# KiCad board mist1010.kicad_pcb (continued)
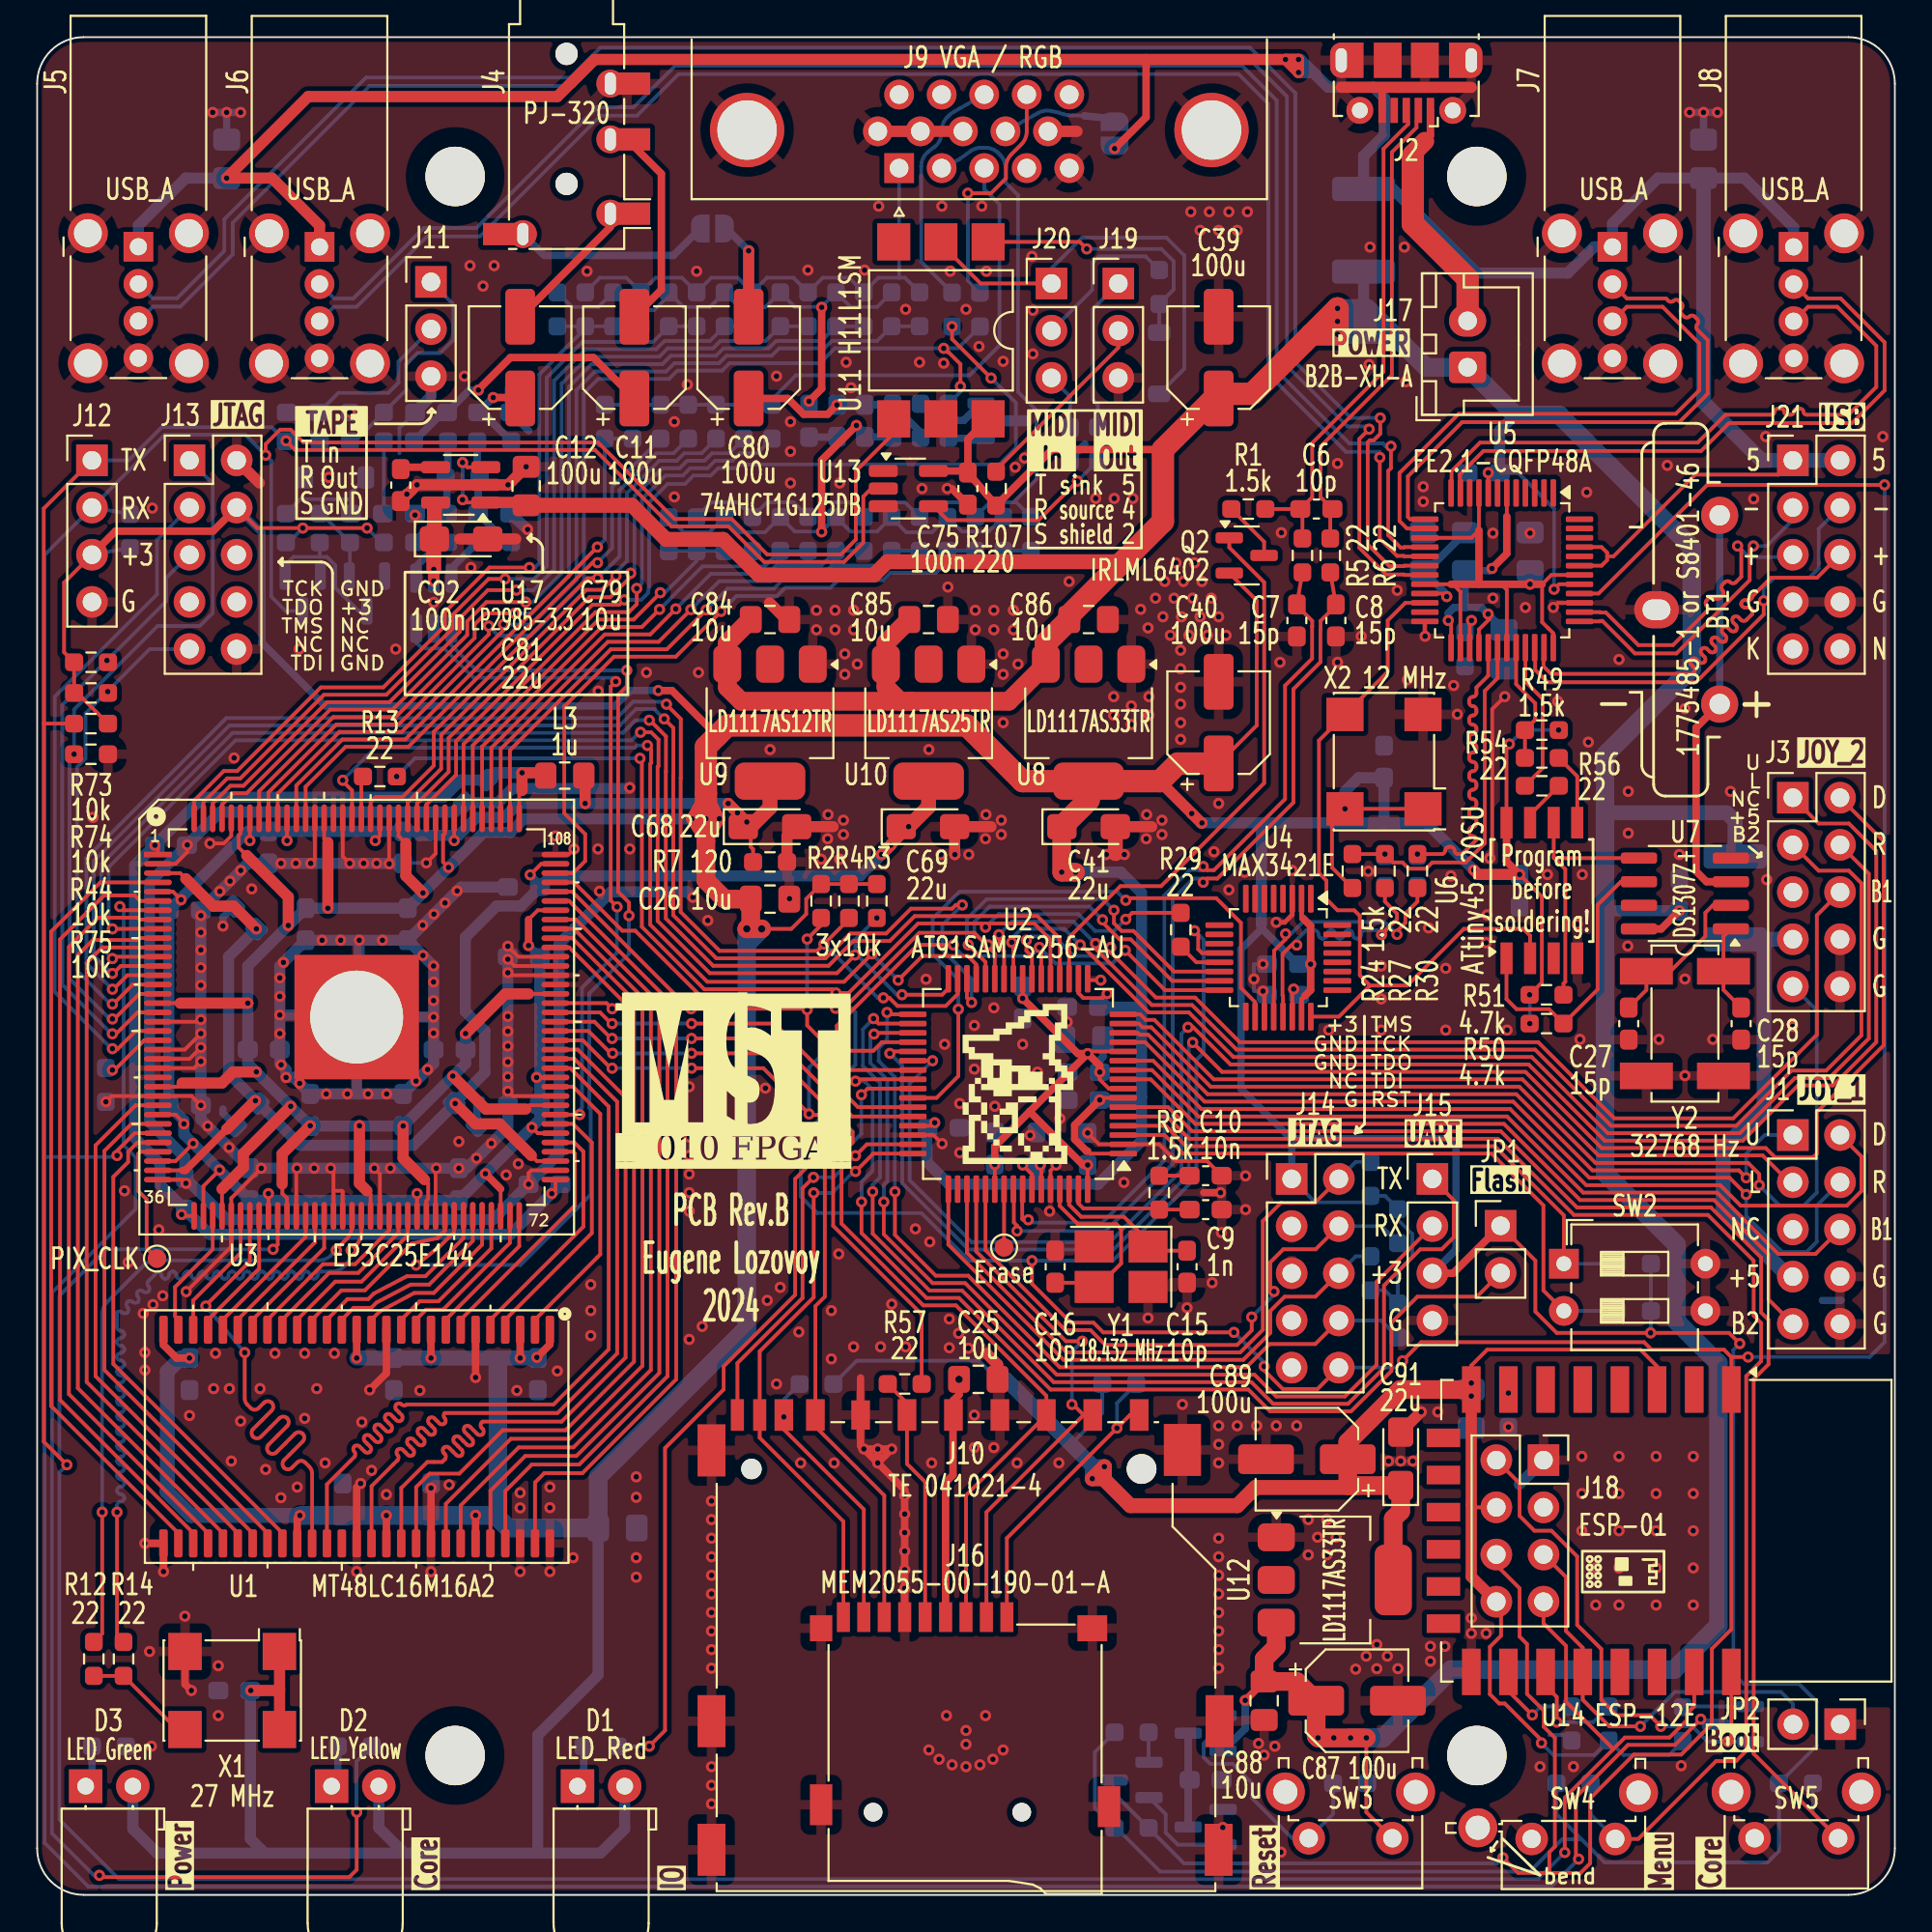
[diagram p0: board, top side]
## Routing (per net, layer and track width the routed paths; a pad name or vN(x,y) marks a point on that pad's centre or on a via; arc(x,y) is an arc through that point) (continued)
Net-(C10-Pad1): length 1.6
  Top w0.2: C10.1 R8.1
Net-(C11-Pad1): length 14.7
  Top w0.4: C11.1 29.95,82.75 25.47,82.75 23.75,81.03 v1(23.75,81)
  Bottom w0.4: v1(23.75,81) 23.26,81 C13.1 21.84,79.8 R99.2
Net-(C11-Pad2): length 10.9
  Top w0.4: C11.2 33.6,86.4 33.6,92.64 31.75,94.5
Net-(C12-Pad1): length 5
  Top w0.4: v1(24.55,80.6) 25.95,80.6 C12.1
  Bottom w0.2: 23.75,79.8 C14.1
  Bottom w0.4: v1(24.55,80.6) 23.75,79.8 ; C14.1 23.96,79.8 R104.2
Net-(C12-Pad2): length 8.4
  Top w0.4: 25.45,84.38 30.85,89.77 30.85,90.5
Net-(C23-Pad2): length 2.4
  Bottom w0.2: C23.2 13.66,79.8 R52.2
Net-(C24-Pad2): length 3.9
  Bottom w0.2: R65.2 18.66,74.4 C24.2
Net-(C77-Pad1): length 10.4
  Top w0.4: v1(43.05,80.2) 42.55,79.7 41.26,79.7 40.41,80.55 C80.1
  Bottom w0.4: 47.55,78.72 L6.2 ; 46.04,80.21 C78.1 C77.1
Net-(C77-Pad2): length 1.5
  Bottom w0.4: L5.2 43.05,78.47
Net-(C82-Pad1): length 6.4
  Bottom w0.2: C82.1 21.84,74.35
  Bottom w0.4: R99.1 22.11,76.42 R100.2 22.06,76.22 C82.1 ; 21.84,74.35 R10.2
Net-(C83-Pad1): length 6.4
  Bottom w0.2: R11.1 25.29,72.8
  Bottom w0.4: R104.1 23.69,76.42 R100.1 23.74,76.22 C83.1 25.29,72.8
Net-(D1-K): length 2.3
  Bottom w0.4: 29.42,8 29.42,6.74 29.09,6.4 D1.1
Net-(D2-K): length 2.3
  Bottom w0.4: D2.1 15.85,6.35 16.19,6.69 R46.1
Net-(D3-K): length 2.3
  Bottom w0.4: R47.1 2.95,6.45 2.61,6.11 D3.1
Net-(D4-K): length 6.1
  Bottom w0.2: R66.1 14.16,75.12 16.86,75.12 16.89,75.15 ; D4.1 16.89,75.49 16.89,75.15 ; 16.89,75.15 C24.1
Net-(D5-A): length 23.9
  Top w0.2: 48.65,88.88 50.79,86.74 J20.1
  Bottom w0.2: D5.2 61.75,82.15 61.75,88.25 60.8,89.2 56.25,89.2 54.6,87.55 J20.1
Net-(D5-K): length 14.6
  Top w0.2: U11.1 56.12,88.98 v1(56.5,88.6)
  Bottom w0.2: D5.1 R106.1 61.18,86.41 61.18,87.94 60.52,88.6 v1(56.5,88.6)
Net-(J17-Pin_2): length 12.9
  Top w0.4: 74.7,94.4 75,94.7 J2.1
  Top w1: 74.7,94.4 74.05,93.75 74.05,93.6
  Top w1.2: 74.05,93.6 74.05,89.95 77,87 77,84.77
Net-(J19-Pin_1): length 8.4
  Bottom w0.2: R108.2 57.1,80.2 56.8,80.5 56.8,85.34 J19.1
Net-(J19-Pin_2): length 10.2
  Top w0.2: 51.62,76.71 58.2,83.29 J19.2
Net-(J20-Pin_2): length 8.6
  Bottom w0.2: J20.2 56.8,86.4 56.8,87.85 57.15,88.2 59.66,88.2 R106.2
Net-(J20-Pin_3): length 3.1
  Bottom w0.2: J20.3 55.6,80.66 C76.1
Net-(JP1-B): length 55.2
  Top w0.2: v1(44.37,37.3) 44.37,35.63 47.87,32.13 49.62,32.13 54.55,27.2 65.2,27.2 66.37,26.03 70.73,26.03 72.9,28.2 72.9,30.8 74.3,32.2 77.5,32.2 JP1.2 ; U2.40 44.15,43.9 v1(44.05,43.8)
  Bottom w0.2: v1(44.37,37.3) 44.37,38.38 44.97,38.97 44.97,43.35 44.52,43.8 v1(44.05,43.8)
Net-(JP3-A): length 6.2
  Bottom w0.2: J9.9 53.88,95.92 arc(54.21,96.03) 54.56,96.03 54.89,95.96 arc(54.95,95.95) 55.01,95.93 55.26,95.85 arc(55.4,95.81) 55.54,95.79 55.72,95.79 arc(55.74,95.79) 55.76,95.79 56.37,95.77
  Bottom w0.4: 56.37,95.77 58,95.6
Net-(JP4-A): length 10.6
  Bottom w0.4: 26.15,89.39 27.3,88.25 34.25,88.25 JP4.1
Net-(Q1-B): length 7.9
  Bottom w0.2: Q1.1 13.35,71.57 13.8,72.02 15.2,72.02 ; 15.2,72.02 15.59,72.02 16.05,71.57 16.05,70.36 17.3,69.11 Q4.3 ; 15.2,72.02 15.21,72.04 R55.1
Net-(Q2-D): length 3.2
  Top w0.2: R1.1 66.05,72.84 Q2.3
Net-(Q3-B): length 3.6
  Bottom w0.2: Q3.1 88.62,10.14
Net-(Q4-B): length 4.1
  Bottom w0.2: R58.1 16.84,71.02 Q4.1 ; R58.1 15.29,74.35 R66.2 ; R58.1 16.8,72.76
Net-(Q5-B): length 14.1
  Bottom w0.2: Q5.1 63.84,9.2 62.8,8.16 62.8,7.4 63.15,7.05 64.35,7.05 65.4,6 65.4,5.2 67.55,3.05 SW3.2 69.76,4.36 R89.1
Net-(Q5-C): length 5
  Bottom w0.4: Q5.3 U15.3
Net-(Q6-B): length 1.7
  Bottom w0.4: Q6.1 49.09,78.4
Net-(Q6-E): length 4
  Bottom w0.4: R102.1 48.44,79.38 49.89,79.38 Q6.2
Net-(Q7-B): length 1.7
  Bottom w0.2: 59.85,7.1 59.82,7.12 R38.2
Net-(Q7-E): length 5.6
  Bottom w0.2: U15.2 61.4,2.7 60.75,3.35 60.75,4.34 Q7.2
Net-(R10-Pad1): length 2.9
  Bottom w0.4: 20.4,70.88 20.4,71.5 21.7,72.8 R10.1
Net-(R11-Pad2): length 2.6
  Bottom w0.2: 23.74,72.85 R11.2
  Bottom w0.4: 22.3,70.88 22.3,71.41 R11.2
Net-(R108-Pad1): length 10.5
  Top w0.2: v1(56,76.1) 53.9,74 49.01,74 48.26,74.75
  Bottom w0.2: v1(56,76.1) 57.09,77.19
Net-(U2-ERASE): length 3.1
  Top w0.2: U2.55 TP2.1
Net-(U2-PLLRC): length 6.8
  Top w0.2: U2.63 56.05,37.22 56.32,36.95 60.34,36.95 ; R8.2 C9.1
Net-(U2-VDDOUT): length 29.5
  Top w0.2: U2.12 56.66,45.4 v1(56.55,45.29) ; v1(57.2,44.29) 57.2,43.89 57.69,43.4 U2.8 ; U2.64 v1(56.55,39.29) ; U2.54 v1(51.55,39.31) ; U2.24 v1(53.05,48.26)
  Top w0.4: v1(57.2,44.29) 57.2,44.64 v1(56.55,45.29) ; v1(56.55,45.29) 56.02,45.29 v1(53.05,48.26) ; v1(56.55,45.29) 53.42,42.16 ; 53.42,42.16 51.55,40.29 v1(51.55,39.31) ; 53.42,42.16 56.3,39.29 v1(56.55,39.29)
  Bottom w0.2: v1(56.55,45.29) 56.62,45.29 C1.2 ; v1(53.05,48.26) C3.2
  Bottom w0.4: C1.2 57.37,45.11 57.2,44.94 v1(57.2,44.29)
Net-(U2-XIN/PGMCK): length 7.8
  Top w0.2: U2.62 55.55,37.15 56.2,36.5 58.5,36.5 59.8,35.2 ; C15.1 60.03,34.67
Net-(U2-XOUT): length 10.2
  Top w0.2: C16.1 56.68,32.95 ; U2.61 55.05,37.08 56.03,36.1 58.1,36.1 58.35,35.85 58.35,33.99 57.09,32.72
Net-(U3-CLK8/DIFFCLK_5n): length 2.1
  Top w0.2: U3.126 17.45,60.02
Net-(U3-CLK12/DIFFCLK_7n): length 45.7
  Top w0.2: v1(4.3,20.6) 4.3,13.96 R14.2 ; v1(16.9,34.7) 17.16,34.96 arc(17.37,35.28) 17.45,35.66 U3.55
  Bottom w0.2: v1(16.9,34.7) 16.9,34.62 arc(16.82,34.23) 16.61,33.91 16.47,33.77 arc(16.17,33.61) 15.84,33.55 15.29,33.55 arc(15.15,33.49) 15.09,33.35 arc(15.04,33.22) 14.9,33.16 14.89,33.16 arc(14.75,33.22) 14.69,33.35 arc(14.64,33.49) 14.5,33.55 14.49,33.55 arc(14.35,33.49) 14.3,33.35 arc(14.24,33.22) 14.1,33.16 14.09,33.16 arc(13.95,33.22) 13.89,33.35 arc(13.84,33.49) 13.7,33.55 13.69,33.55 arc(13.55,33.49) 13.5,33.35 arc(13.44,33.22) 13.3,33.16 13.29,33.16 arc(13.15,33.22) 13.09,33.35 arc(13.04,33.49) 12.9,33.55 12.89,33.55 arc(12.75,33.49) 12.69,33.35 arc(12.64,33.22) 12.5,33.16 12.49,33.16 arc(12.35,33.22) 12.3,33.35 arc(12.24,33.49) 12.1,33.55 12.09,33.55 arc(11.95,33.49) 11.89,33.35 arc(11.84,33.22) 11.7,33.16 11.69,33.16 arc(11.55,33.22) 11.5,33.35 arc(11.44,33.49) 11.3,33.55 11.29,33.55 arc(11.15,33.49) 11.09,33.35 arc(11.04,33.22) 10.9,33.16 10.89,33.16 arc(10.75,33.22) 10.69,33.35 arc(10.64,33.49) 10.5,33.55 10.49,33.55 arc(10.35,33.49) 10.3,33.35 arc(10.24,33.22) 10.1,33.16 10.09,33.16 arc(9.95,33.22) 9.89,33.35 arc(9.84,33.49) 9.7,33.55 9.69,33.55 arc(9.55,33.49) 9.5,33.35 arc(9.44,33.22) 9.3,33.16 9.29,33.16 arc(9.15,33.22) 9.09,33.35 arc(9.04,33.49) 8.9,33.55 8.89,33.55 arc(8.75,33.49) 8.69,33.35 arc(8.64,33.22) 8.5,33.16 8.49,33.16 arc(8.35,33.22) 8.3,33.35 arc(8.24,33.49) 8.1,33.55 8.09,33.55 arc(7.95,33.49) 7.89,33.35 arc(7.84,33.22) 7.7,33.16 7.69,33.16 arc(7.55,33.22) 7.5,33.35 arc(7.44,33.49) 7.3,33.55 7.29,33.55 arc(7.15,33.49) 7.09,33.35 arc(7.04,33.22) 6.9,33.16 6.89,33.16 arc(6.75,33.22) 6.69,33.35 arc(6.64,33.49) 6.5,33.55 5.99,33.04 arc(5.93,32.9) 5.99,32.76 arc(6.05,32.63) 5.99,32.49 5.98,32.48 arc(5.85,32.42) 5.71,32.48 arc(5.57,32.54) 5.43,32.48 5.42,32.47 arc(5.37,32.34) 5.42,32.2 arc(5.48,32.06) 5.42,31.92 5.42,31.92 arc(5.28,31.86) 5.14,31.92 arc(5,31.97) 4.87,31.92 4.86,31.91 arc(4.8,31.77) 4.86,31.63 arc(4.92,31.49) 4.86,31.36 4.85,31.35 arc(4.71,31.29) 4.58,31.35 arc(4.44,31.41) 4.3,31.35 4.3,30.56 arc(4.36,30.42) 4.5,30.37 arc(4.63,30.31) 4.69,30.17 4.69,30.16 arc(4.63,30.02) 4.5,29.97 arc(4.36,29.91) 4.3,29.77 4.3,29.76 arc(4.36,29.62) 4.5,29.57 arc(4.63,29.51) 4.69,29.37 4.69,29.36 arc(4.63,29.22) 4.5,29.17 arc(4.36,29.11) 4.3,28.97 4.3,28.96 arc(4.36,28.82) 4.5,28.77 arc(4.63,28.71) 4.69,28.57 4.69,28.56 arc(4.63,28.42) 4.5,28.37 arc(4.36,28.31) 4.3,28.17 4.3,28.16 arc(4.36,28.02) 4.5,27.97 arc(4.63,27.91) 4.69,27.77 4.69,27.76 arc(4.63,27.62) 4.5,27.57 arc(4.36,27.51) 4.3,27.37 4.3,27.36 arc(4.36,27.22) 4.5,27.17 arc(4.63,27.11) 4.69,26.97 4.69,26.96 arc(4.63,26.82) 4.5,26.77 arc(4.36,26.71) 4.3,26.57 4.3,26.56 arc(4.36,26.42) 4.5,26.37 arc(4.63,26.31) 4.69,26.17 4.69,26.16 arc(4.63,26.02) 4.5,25.97 arc(4.36,25.91) 4.3,25.77 4.3,25.76 arc(4.36,25.62) 4.5,25.57 arc(4.63,25.51) 4.69,25.37 4.69,25.36 arc(4.63,25.22) 4.5,25.17 arc(4.36,25.11) 4.3,24.97 4.3,24.96 arc(4.36,24.82) 4.5,24.77 arc(4.63,24.71) 4.69,24.57 4.69,24.56 arc(4.63,24.42) 4.5,24.37 arc(4.36,24.31) 4.3,24.17 4.3,24.16 arc(4.36,24.02) 4.5,23.97 arc(4.63,23.91) 4.69,23.77 4.69,23.76 arc(4.63,23.62) 4.5,23.57 arc(4.36,23.51) 4.3,23.37 4.3,23.36 arc(4.36,23.22) 4.5,23.17 arc(4.63,23.11) 4.69,22.97 4.69,22.96 arc(4.63,22.82) 4.5,22.77 arc(4.36,22.71) 4.3,22.57 4.3,22.56 arc(4.36,22.42) 4.5,22.37 arc(4.63,22.31) 4.69,22.17 4.69,22.16 arc(4.63,22.02) 4.5,21.97 arc(4.36,21.91) 4.3,21.77 4.3,21.76 arc(4.36,21.62) 4.5,21.57 arc(4.63,21.51) 4.69,21.37 4.69,21.36 arc(4.63,21.22) 4.5,21.17 arc(4.36,21.11) 4.3,20.97 v1(4.3,20.6)
Net-(U3-CLK13/DIFFCLK_7p): length 34.1
  Top w0.2: v1(3.5,20.6) 3.5,14.06 R12.2 ; v1(16.1,34.7) 16.1,34.75 16.66,35.31 arc(16.87,35.63) 16.95,36.01 U3.54
  Bottom w0.2: v1(16.1,34.7) 15.84,34.44 arc(15.52,34.23) 15.14,34.15 6.41,34.15 arc(6.03,34.07) 5.71,33.86 3.79,31.94 arc(3.58,31.62) 3.5,31.24 v1(3.5,20.6)
Net-(U3-nCE): length 3.5
  Top w0.2: v1(4.05,44.4) 4.16,44.4 5.76,46 U3.21
  Bottom w0.2: R9.2 3.81,44.4 v1(4.05,44.4)
Net-(U4-D+): length 14.2
  Top w0.2: v1(72.37,51.68) 72.6,51.92 72.6,51.95 72.95,52.3 72.98,52.3 73.2,52.52 73.2,52.82 72.55,53.47 R27.1 ; U4.21 67.06,48.4 67.04,48.43 67.04,50.64 67.52,51.13 v1(67.81,51.13)
  Bottom w0.2: v1(67.81,51.13) 67.81,51.41 68.32,51.92 68.75,51.92 arc(68.91,51.86) 68.97,51.7 arc(69.04,51.54) 69.2,51.47 69.21,51.47 arc(69.37,51.54) 69.44,51.7 arc(69.5,51.86) 69.66,51.92 69.67,51.92 arc(69.83,51.86) 69.9,51.7 arc(69.96,51.54) 70.12,51.47 70.13,51.47 arc(70.29,51.54) 70.35,51.7 arc(70.42,51.86) 70.58,51.92 70.59,51.92 arc(70.75,51.86) 70.81,51.7 arc(70.88,51.54) 71.04,51.47 71.05,51.47 arc(71.21,51.54) 71.28,51.7 arc(71.34,51.86) 71.5,51.92 72.13,51.92 v1(72.37,51.68)
Net-(U4-D-): length 14.2
  Top w0.2: v1(73.2,51.7) 73.2,51.88 73.65,52.33 73.65,52.82 74.3,53.47 R30.1 ; U4.20 66.56,48.4 66.59,48.43 66.59,50.83 67.2,51.44 v1(67.2,51.73)
  Bottom w0.2: v1(67.2,51.73) 67.49,51.73 68.14,52.38 72.53,52.38 v1(73.2,51.7)
Net-(U4-SCK): length 2.4
  Top w0.2: R29.2 62.4,50.2 U4.13
Net-(U4-VBCOMP): length 1.5
  Top w0.2: v1(67.64,48.76) 67.56,48.68 U4.22
Net-(U5-REXT): length 2.3
  Top w0.2: U5.27 77.11,68.5 v1(77.21,68.6)
  Bottom w0.2: v1(77.21,68.6) 77.21,68.31 R36.1
Net-(U5-VD18_O): length 15.5
  Top w0.2: 78.16,68.89 78.16,68.66 77.61,68.11 U5.28 ; v1(75.96,68.6) 76.11,68.45 U5.25 ; U5.6 79.11,74.2
  Top w0.4: 78.16,68.89 v1(78.11,68.94) ; v1(78.31,71.4) 79.11,72.2 79.11,74.2
  Bottom w0.4: 76.86,69.3 77.75,69.3 v1(78.11,68.94) C18.2 ; 76.86,69.3 L1.1 78.19,71.27 v1(78.31,71.4) ; 76.86,69.3 76.26,69.3 75.96,69 v1(75.96,68.6)
Net-(U5-VD_PLL): length 6.1
  Top w0.2: v1(75.88,69.89) 75.72,70.05 U5.21
  Bottom w0.4: 74.8,71.26 76.86,73.32 ; v1(75.88,69.89) 75.88,70 C17.2
Net-(U5-VDD3_O): length 28.1
  Top w0.2: U5.20 76.21,70.55 76.61,70.15 U5.26 ; U5.9 77.61,73.45 77.21,73.05 U5.15 ; U5.31 79.11,70.25 78.81,70.55 ; U5.36 81.61,67.91 81.35,68.17 81.35,68.17 81.01,68.51 81.01,70.55 81.51,71.05 U5.42
  Top w0.4: 76.11,70.55 77.61,70.55 ; 77.61,70.55 81.01,70.55 ; 77.61,70.55 77.61,73.45
  Bottom w0.4: v1(80.36,70.55) C19.2
Net-(U6-AREF/PB0): length 3.9
  Top w0.2: R54.1 82.91,60.21 U6.5
Net-(U6-PB1): length 14.2
  Top w0.2: 81.63,55.83 82.26,55.21 82.26,49.15 82.16,49.05 R51.2 ; 81.63,55.83 U6.6 ; 81.63,55.83 81.66,55.81 U7.5
Net-(U6-PB2): length 2.2
  Top w0.2: R56.1 80.37,58.15
Net-(U6-~{RESET}/PB5): length 15.7
  Top w0.2: U7.6 85.25,54.54 84,53.29 84,48.74 R50.2 81.39,47.67 79.64,47.67 79.09,48.22 U6.1
Net-(U7-X1): length 4.8
  Top w0.2: 91.18,52 90.78,51.6 90.78,48.71 C28.1
Net-(U7-X2): length 7.8
  Top w0.2: 87.91,49.71 89.8,51.6 89.8,52.87 90.2,53.27 91.18,53.27 ; Y2.1 86.62,48.71 C27.1
Net-(U14-GPIO2): length 5.3
  Top w0.2: 81.2,11.25 81.8,10.65 v1(81.8,9.3)
  Bottom w0.2: R109.1 83.76,9.3 v1(81.8,9.3)
Net-(U14-GPIO13): length 0.2
  Top w0.2: U14.7 v1(79.2,27.01)
Net-(U14-GPIO15): length 4.4
  Top w0.2: v1(80.48,9.68) 79.2,10.97 79.2,11.25
  Bottom w0.2: v1(80.48,9.68) 80.94,10.14 R110.1
Net-(U17-BP): length 1.9
  Top w0.4: C92.2 19.67,76.85 U17.4

## Copper pours and planes (outline as drawn; the poured copper is in the pictures)
GND on Top, Bottom: 100.2,-0.5 -0.3,-0.5 -0.3,100.25 100.2,100.25

## Text on the board
F.Silkscreen: source | shield | Program / before / soldering! | GND | sink | T | S | R | 5 | 4 | 2 | In | Out | TAPE | MIDI / In | MIDI / Out | PCB Rev.${REVISION} / Eugene Lozovoy / 2024 | 1010 FPGA | ST | MI
User.1: mist1.3 mist a2 mist b / a min    6,8     9,4     6,9 / a max    44,5    44,7    42,5 / dq8 min  6,9     10,3    7,7 / dq8 max  16,6    17,5    16 / dq16 min 42      37,5    41,3 / dq16 max 47,1    43,1    42,6 / ba0      9,8     10,5    9 / ba1      7,7     9,4     7,6 / clk      34,2    24,8    34,1 / cs       9,5     11,2    9,5 / dqml     9,5     12,5    10,4 / dqmh     42,9    37,6    42,8 / we       10,5    12,6    10,7 / cas      9,5     10,8    9,5 / ras      9,2     11,1    9,3
